# KiCad board A64-OlinuXino_Rev_G1.kicad_pcb (continued)
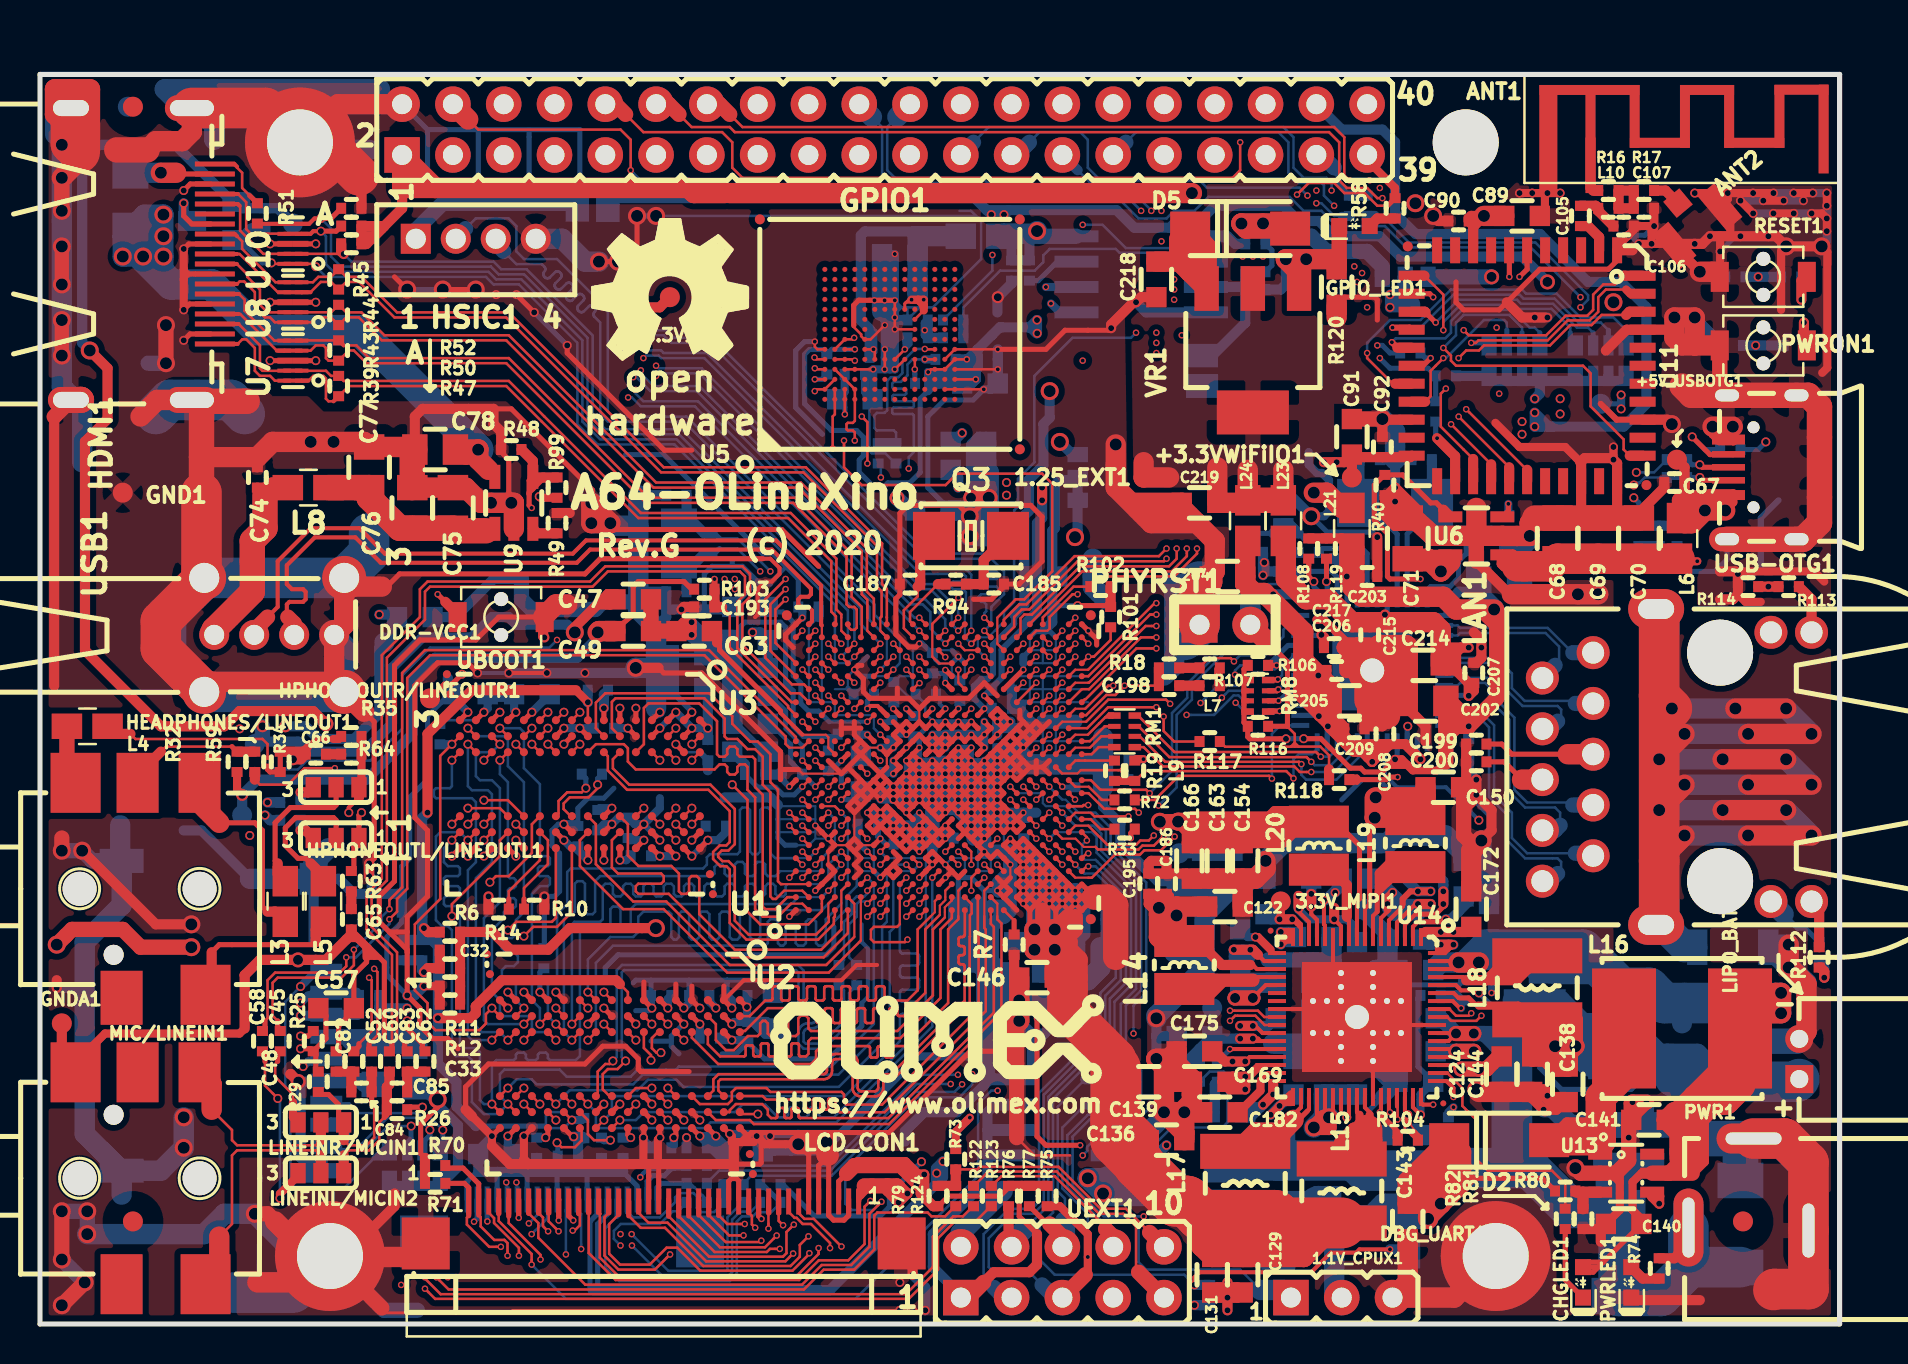
[diagram p0: board, top side]
## Nets (continued)
Net-(HDMI1-Pad14): HDMI1.14
Net-(HDMI1-Pad19): HDMI1.19 R51.2
Net-(HEADPHONES/LINEOUT1-Pad1): HEADPHONES/LINEOUT1.1 L5.2
Net-(HEADPHONES/LINEOUT1-Pad2): HEADPHONES/LINEOUT1.2 L4.2
Net-(HEADPHONES/LINEOUT1-Pad3): HEADPHONES/LINEOUT1.3 L3.2
Net-(HEADPHONES/LINEOUT1-Pad4): HEADPHONES/LINEOUT1.4 R32.1 R59.1
Net-(HEADPHONES/LINEOUT1-Pad5): HEADPHONES/LINEOUT1.5
Net-(HPHONEOUTL/LINEOUTL1-Pad2): HPHONEOUTL/LINEOUTL1.2 L5.1
Net-(HPHONEOUTR/LINEOUTR1-Pad2): HPHONEOUTR/LINEOUTR1.2 L3.1
Net-(HSIC1-Pad1): HSIC1.1 HSIC_E1.2
Net-(HSIC1-Pad2): HSIC1.2 U1.H19
Net-(HSIC1-Pad3): HSIC1.3 U1.G19
Net-(L14-Pad1): L14.1 U14.21
Net-(L15-Pad1): L15.1 U14.43 U14.44
Net-(L17-Pad1): L17.1 U14.36 U14.37
Net-(L18-Pad2): L18.2 U14.65
Net-(L19-Pad1): L19.1 U14.7
Net-(L20-Pad1): L20.1 U14.10
Net-(LINEINL/MICIN2-Pad2): LINEINL/MICIN2.2 MIC/LINEIN1.1
Net-(LINEINR/MICIN1-Pad2): LINEINR/MICIN1.2 MIC/LINEIN1.3
Net-(MIC/LINEIN1-Pad4): MIC/LINEIN1.4
Net-(MIC/LINEIN1-Pad5): MIC/LINEIN1.5
Net-(MICRO_SD1-Pad5): MICRO_SD1.5 R33.1
Net-(MIPI-DSI1-Pad16): MIPI-DSI1.16 R129.2 R131.2
Net-(MIPI-DSI1-Pad17): MIPI-DSI1.17 R125.1 R127.1
Net-(MIPI-DSI1-Pad19): MIPI-DSI1.19 R126.1 R128.1
Net-(MIPI-DSI1-Pad20): MIPI-DSI1.20 R130.2 R132.2
Net-(PWRLED1-Pad2): PWRLED1.2 R74.2
Net-(PWRON1-Pad1): PWRON1.1 R91.1
Net-(R3-Pad2): R3.2 U1.G2
Net-(R4-Pad2): R4.2 U1.G3
Net-(R7-Pad2): R7.2 U1.U1
Net-(R9-Pad1): R9.1 U2.L8
Net-(R10-Pad1): R10.1 U3.L8
Net-(R13-Pad1): R13.1 U2.L9
Net-(R14-Pad1): R14.1 U3.L9
Net-(R15-Pad1): R15.1 U5.H5
Net-(R19-Pad1): R19.1 U1.AB12
Net-(R41-Pad2): R41.2 U6.3
Net-(R49-Pad2): R49.2 U9.3
Net-(R54-Pad1): R54.1 U11.17
Net-(R55-Pad1): R55.1 R56.1 U12.3 WP_Enable1.2
Net-(R57-Pad1): R57.1 U12.7
Net-(R60-Pad1): R60.1 U11.24
Net-(R72-Pad1): R72.1 U1.AB11
Net-(R80-Pad2): R80.2 R81.1 U13.3
Net-(R82-Pad1): R82.1 U14.53
Net-(R83-Pad1): R83.1 U14.30
Net-(R86-Pad1): R86.1 U14.26
Net-(R87-Pad1): R87.1 U14.27
Net-(R89-Pad1): R89.1 RESET1.1
Net-(R94-Pad1): R94.1 U1.K23
Net-(R96-Pad1): R96.1 U1.H14
Net-(R97-Pad1): R97.1 U1.AA11
Net-(R98-Pad1): R98.1 U1.AA12
Net-(R105-Pad2): R105.2 R106.2 U15.33
Net-(R107-Pad1): R18.2 R107.1 U15.35
Net-(R109-Pad2): R109.2 R110.2 U15.41
Net-(R111-Pad2): R111.2 R112.2 U15.17
Net-(R113-Pad2): R113.2 R114.2 U15.15
Net-(R115-Pad1): R115.1 U15.48
Net-(R119-Pad1): R119.1 U15.38
Net-(RM1-Pad1.2): RM1.1.2 U1.AC13
Net-(RM1-Pad2.2): RM1.2.2 U1.AB13
Net-(RM1-Pad3.2): RM1.3.2 U1.AC14
Net-(RM1-Pad4.2): RM1.4.2 U1.AB14
Net-(RM15-Pad1.1): RM8.1.2 RM15.1.1 U15.32
Net-(RM15-Pad2.1): RM8.2.2 RM15.2.1 U15.31
Net-(RM15-Pad3.1): RM8.3.2 RM15.3.1 U15.28
Net-(RM15-Pad4.1): RM8.4.2 RM15.4.1 U15.27
Net-(T1-Pad3): T1.3 U14.52
Net-(U1-PadA13): U1.A13
Net-(U1-PadB10): U1.B10
Net-(U1-PadB13): U1.B13
Net-(U1-PadC14): U1.C14
Net-(U1-PadD14): U1.D14
Net-(U1-PadE16): U1.E16
Net-(U1-PadF16): U1.F16
Net-(U11-Pad3): U11.3
Net-(U11-Pad4): U11.4
Net-(U11-Pad5): U11.5
Net-(U11-Pad8): U11.8
Net-(U11-Pad10): U11.10
Net-(U11-Pad11): U11.11
Net-(U11-Pad21): U11.21
Net-(U11-Pad23): U11.23
Net-(U11-Pad29): U11.29
Net-(U11-Pad30): U11.30
Net-(U11-Pad32): U11.32
Net-(U11-Pad35): U11.35
Net-(U11-Pad37): U11.37
Net-(U11-Pad38): U11.38
Net-(U11-Pad39): U11.39
Net-(U11-Pad40): U11.40
Net-(U13-Pad6): U13.6
Net-(U14-Pad23): U14.23
Net-(U14-Pad24): U14.24
Net-(U15-Pad13): U15.13
Net-(U15-Pad43): U15.43
Net-(U15-Pad47): U15.47

Pads without a net: ANT1 0; FID1 Fid1; FID2 Fid1; FID3 Fid1; FID4 Fid1; FID5 Fid1; FID6 Fid1; MIPI-DSI1 0; U1 fid1 fid2 fid3; U2 FID1 FID2 FID3 FID4; U3 FID1 FID2 FID3 FID4; U5 A1 A2 A7 A8 A9 A10 A11 A12 A13 A14 B1 B7 B8 B9 B10 B11 B12 B13 B14 C1 C3 C5 C7 C8 C9 C10 C11 C12 C13 C14 D1 D2 D3 D4 D12 D13 D14 E1 E2 E3 E5 E8 E9 E10 E12 E13 E14 F1 F2 F3 F10 F12 F13 F14 FID1 FID2 FID3 G1 G2 G3 G10 G12 G13 G14 H1 H2 H3 H12 H13 H14 J1 J2 J3 J12 J13 J14 K1 K2 K3 K6 K7 K10 K12 K13 K14 L1 L2 L3 L12 L13 L14 M1 M2 M3 M7 M8 M9 M10 M11 M12 M13 M14 N1 N3 N6 N7 N8 N9 N10 N11 N12 N13 N14 P1 P2 P7 P8 P9 P10 P11 P12 P13 P14; U11 FID1 FID2; U14 Fid1 Fid2

## Via types
v1: diameter 0.75, hole 0.5, Top to Bottom, 15 vias
v2: diameter 0.9, hole 0.6, Top to Bottom, 140 vias
v3: diameter 0.45, hole 0.3, Top to Bottom, 407 vias
v4: diameter 0.327, hole 0.2, Top to Bottom, 542 vias
v5: diameter 0.6, hole 0.4, Top to Bottom, 5 vias
v6: diameter 0.406, hole 0.254, Top to Bottom, 31 vias

## Routing (per net, layer and track width the routed paths; a pad name or vN(x,y) marks a point on that pad's centre or on a via; arc(x,y) is an arc through that point)
1.1V_CPUS: length 99.9
  Top w0.203: 68.15,21.01 68.15,20.88 67.46,20.19 U14.5
  Top w0.254: U1.H15 v4(42.03,30.12)
  Top w0.305: 68.15,21.01 68.15,21.26 68.53,21.64 69.04,21.64
  Top w0.406: 69.04,21.64 v3(69.54,21.64)
  In2.Cu w0.305: 41.73,34.59 41.59,34.46 41.59,31.83 42.03,31.4 v4(42.03,30.12)
  In2.Cu w0.508: 78.12,46.47 78.37,46.47 v3(79.07,45.77) v3(79.07,46.47) 78.12,46.47 ; 78.12,46.47 77.1,46.47 75.64,47.93 73.61,47.93 71.96,46.28 71.1,46.28 69.2,44.37 56.46,44.37 55.19,43.1 50.85,43.1 49.39,44.56 44.45,44.56 42.92,43.04 42.92,42.46 41.73,41.28 41.73,34.59
  In3.Cu w0.508: 69.13,22.37 68.91,22.15 v3(68.91,21.64) ; 69.13,22.37 69.13,22.31 ; 69.13,22.37 69.67,22.91 ; 69.13,22.31 69.13,21.87 v3(68.91,21.64) ; 69.13,22.31 69.13,22.05 v3(69.54,21.64) ; v3(68.91,21.64) v3(69.54,21.64) ; v3(69.54,21.64) 69.54,22.78 69.67,22.91 ; 69.67,22.91 69.69,22.93 69.69,28.73 69.16,29.26 69.16,35.48 71.58,37.9 74.24,37.9 79.29,42.95 79.29,45.55 v3(79.07,45.77) v3(79.07,46.47)
  Bottom w0.254: C117.2 42.52,30.12 v4(42.03,30.12) ; 1.1V_CPUS1.1 79.07,46.02 v3(79.07,45.77)
  Bottom w0.406: v3(79.07,46.47) v3(79.07,45.77)
  Bottom w0.508: C120.2 45.67,44.12 v3(46.11,44.56) ; 68.15,22.66 68.15,22.4 v3(68.91,21.64) v3(69.54,21.64)
1.1V_CPUX: length 142.3
  Top w0.254: v2(49.73,19.74) 49.5,19.97 U1.W1 ; v4(49.82,21.67) U1.W3 ; v4(49.82,21.67) 49.5,21.35 ; v4(49.82,21.67) U1.Y2 ; v4(49.82,21.67) U1.Y3 ; U1.W3 v4(49.82,22.33) ; U1.W3 v4(49.18,21.67) ; U1.W3 v4(49.18,22.33) ; v4(49.82,22.33) U1.W4 ; v4(49.82,22.33) U1.Y3 ; v4(49.82,22.33) U1.Y4 ; U1.W4 v4(49.18,22.97) ; U1.W4 v4(49.82,22.97) ; U1.W4 v4(49.18,22.33) ; v4(49.82,22.97) U1.W5 ; v4(49.82,22.97) 50.15,23.3 ; v4(49.82,22.97) U1.Y4 ; U1.W5 49.82,23.62 ; U1.W5 v4(49.18,22.97) ; U1.W5 v4(49.18,23.62) ; 49.5,21.35 v4(49.18,21.67) ; 49.5,21.35 49.82,21.03 ; 49.5,21.35 v4(49.18,21.03) ; 49.82,21.03 U1.Y2 ; 49.82,21.03 50.15,20.7 v4(50.47,21.03) ; 49.82,21.03 U1.W1 ; U1.Y2 v4(50.47,21.03) ; U1.Y2 v4(50.47,21.67) ; v4(50.47,21.67) v4(51.12,21.03) ; v4(50.47,21.67) U1.AA3 ; v4(50.47,21.67) U1.Y3 ; 51.45,20.7 v4(51.12,21.03) ; 51.45,20.7 51.45,20.38 ; 51.45,20.7 v4(51.78,21.03) ; v4(51.12,21.03) U1.AA1 ; v4(51.12,21.03) U1.AB2 ; 51.45,20.38 51.78,20.38 U1.AC1 ; 51.45,20.38 51.39,20.38 ; 51.27,19.22 51.38,19.1 ; 52.43,21.03 U1.AC2 ; 52.43,21.03 52.75,21.35 52.43,21.67 ; 52.43,21.03 U1.AC1 ; U1.AC2 52.43,21.67 ; U1.AC2 v4(51.78,21.03) ; U1.AC2 v4(51.78,21.67) ; 49.5,23.95 49.18,24.28 U1.V6 ; 49.5,23.95 49.82,23.62 ; 49.5,23.95 v4(49.18,23.62) ; 49.82,23.62 50.15,23.3 ; 50.15,23.3 50.47,22.97 ; 50.47,22.97 50.8,22.65 ; 50.47,22.97 U1.Y4 ; 50.8,22.65 51.12,22.33 ; 50.8,22.65 v4(50.47,22.33) ; 51.12,22.33 51.45,22 ; 51.12,22.33 U1.AA3 ; 51.45,22 v4(51.78,21.67) ; 51.45,22 v4(51.12,21.67) ; v4(51.78,21.67) U1.AB2 ; v4(51.78,21.67) 52.1,22 52.43,21.67 ; 48.53,23.62 U1.V5 ; 48.53,23.62 U1.U6 v4(48.53,24.28) U1.V6 ; 48.53,23.62 U1.V6 ; U1.V5 v4(49.18,22.97) ; U1.V5 v4(49.18,23.62) ; v4(49.18,22.97) U1.V4 v4(49.18,22.33) ; v4(50.47,21.03) U1.AA1 ; v4(50.47,21.03) v4(51.12,21.67) ; v4(51.12,21.67) U1.AA3 ; v4(51.12,21.67) U1.AB2 ; U1.AA3 v4(50.47,22.33) ; U1.AC1 v4(51.78,21.03) ; v4(51.78,21.03) U1.AB2 ; v4(49.18,21.67) U1.V2 v4(49.18,21.03) ; v4(49.18,21.67) U1.V3 v4(49.18,22.33) ; v2(50.75,19.73) 50.8,19.78 U1.AA1 ; U1.Y3 v4(50.47,22.33) ; U1.Y4 v4(50.47,22.33) ; v4(49.18,23.62) U1.V6 ; U1.W1 v4(49.18,21.03) ; 50.15,19.74 50.15,20.05 50.15,19.74
  Top w0.508: 63.32,3.48 63.19,3.35 ; 62.69,3.86 63.07,3.48 1.1V_CPUX1.1
  Top w0.762: 50.15,20.7 50.15,19.74 ; 51.27,19.22 51.78,19.72 51.78,20.38 ; 53.8,10.21 54.81,10.21 55.57,9.45 55.45,9.32 C136.2 ; v2(50.75,19.73) 51.39,20.38
  Top w1.016: 49.73,19.61 v2(49.73,18.72) v2(50.75,18.72) ; 60.15,5.31 L17.2 58.06,5.44 58.06,3.91 58.12,3.86 ; 51.38,17.32 50.75,17.32 v2(50.75,18.72) ; 51.38,18.72 51.89,18.21 51.89,17.32 51.38,16.81 ; 51.38,18.72 51.38,19.1 51.38,19.1 v2(50.75,19.73) ; 51.38,18.72 v2(50.75,18.72) ; 63.19,3.35 64.9,5.06 L15.2 65.3,5.06 ; 63.19,3.35 62.69,3.86 58.12,3.86 ; 63.19,3.35 C129.2 C131.2 58.12,3.86 ; 53.8,10.21 54.56,10.97 C139.2 54.43,12.12 ; v2(50.75,18.72) v2(50.75,19.73) ; v2(50.75,19.73) 50.74,19.74 v2(49.73,19.74) ; C136.2 55.45,8.05
  Top w1.27: 53.8,18.34 53.8,20.95 53.4,21.35 52.75,21.35
  Top w2.032: 51.38,17.32 51.38,15.67 53.8,13.26 53.8,12.75
  Top w2.54: L15.2 62.13,5.06 61.75,5.44 L17.2 58.06,5.44 57.35,6.15 56.78,6.15 54.94,7.99 54.94,8.05 53.8,9.19 53.8,12.75
  In4.Cu w0.406: v4(48.53,24.28) v4(49.18,23.62)
  Bottom w0.254: 49.59,21.03 v4(49.18,21.03) v4(49.18,21.67) v4(49.18,22.33) v4(49.18,22.97) v4(49.18,23.62) 49.82,23.62 v4(51.78,21.67) ; 51.78,18.98 C137.2 ; C130.2 52.16,21.03
  Bottom w0.406: C132.2 49.2,23.92 49.5,23.62
  Bottom w0.508: C134.2 C123.2 ; v4(51.78,21.67) 52.27,21.18 C130.2 C127.2 52.27,19.48 C137.2
  Bottom w0.762: C137.2 51.45,19.4 51.78,19.72 v4(51.78,21.67) v4(51.78,21.03) v4(49.82,22.97) U1.W5 49.5,23.62
  Bottom w1.016: v2(50.75,18.72) 49.82,18.72 ; v2(50.75,18.72) 51.51,18.72 C137.2 ; v2(50.75,18.72) v2(50.75,19.73) ; 49.82,18.72 v2(49.73,18.72) ; 49.82,18.72 50.11,18.43 C148.2 ; 49.82,18.72 49.44,19.1 C142.2 ; 49.82,18.72 49.73,18.81 v2(49.73,19.74) ; v2(49.73,19.74) 49.82,19.83 v4(49.82,22.97) ; v2(49.73,19.74) 50.74,19.74 v2(50.75,19.73) ; v2(50.75,19.73) 51.12,20.11 v4(51.12,21.67) ; v2(50.75,19.73) 50.47,20 v4(50.47,22.33)
1.1V_SYS: length 108.7
  Top w0.203: U14.9 65.86,21.13 65.99,21.26
  Top w0.254: U1.M14 v4(45.28,29.47) U1.N14 ; U1.M14 v4(45.28,28.83) U1.N14 ; U1.M14 v4(44.62,28.83) ; U1.M14 v4(44.62,29.47) U1.L14 ; U1.L14 43.97,29.47 U1.K14 v4(43.32,28.83) U1.J13 v4(42.68,28.17) U1.J12 v4(42.68,27.53) ; U1.L14 v4(44.62,28.83) ; v4(44.62,28.83) U1.M13 ; U1.N14 v4(45.93,29.47) U1.P14 v4(46.57,29.47) U1.R14 ; v4(47.22,30.12) U1.T15 v4(47.22,29.47) U1.R14 ; U1.R14 v4(47.22,28.83) ; 65.99,21.26 65.99,23.93 64.79,25.13 L20.2
  Top w0.305: U1.L13 v4(44.62,28.83) ; U1.R13 v4(47.22,28.83) ; U1.M13 v4(45.28,28.83)
  Top w0.508: 61.29,25.2 61.75,25.65 63.43,25.65 L20.2
  Top w0.762: v2(56.92,25.13) 56,25.13 ; C166.2 57.61,24.44 ; 57.48,24.68 57.03,25.13
  Top w0.889: 57.55,25.13 v2(56.92,25.13)
  Top w1.016: 61.7,25.22 63.86,25.22 L20.2 ; C154.2 C163.2 C166.2 57.86,24.31 62.05,24.31 63.07,25.32 ; 61.53,25.13 57.55,25.13
  Top w1.524: L20.2 62.36,25.13
  In4.Cu w0.107: 43.65,28.5 46.25,28.5 ; 43.65,28.5 v4(43.32,28.83) 42.35,29.8 ; 43.65,28.5 U1.J13 v4(42.68,28.17) 42.35,28.5 ; 46.25,28.5 U1.R13 v4(47.22,28.83) ; 46.25,28.5 U1.P14 ; 52.1,29.15 50.15,29.15 ; 42.35,29.8 41.7,29.8 ; 42.35,29.8 42.35,30.45 41.7,30.45 ; 41.7,29.8 41.05,29.8 41.05,30.45 ; 41.7,29.8 41.7,30.45 ; 41.7,29.8 41.7,28.5 ; 41.7,30.45 41.05,30.45 ; 43,31.1 41.05,31.1 41.05,30.45 ; 43,31.1 43.65,31.1 ; 43,31.1 43,30.45 ; 42.35,28.5 41.7,28.5 ; 42.35,28.5 42.35,29.15 41.38,29.15 ; 41.7,28.5 41.38,28.5 40.72,27.85 39.75,27.85 39.1,28.5 38.45,28.5 38.45,27.85 ; 49.5,29.15 50.15,29.15 ; 49.5,29.15 49.5,27.85 ; 49.5,29.15 48.53,29.15 ; 50.15,29.15 50.15,27.85 50.15,28.17 ; 50.8,29.8 50.8,30.12 50.8,27.85
  In4.Cu w0.508: 48.2,28.83 v4(47.22,28.83) ; v2(56.92,25.13) 56.92,26.16 55.76,27.31 55.26,27.31 55.07,27.12 53.21,27.12 53.1,27.23 ; v4(42.68,27.53) v4(42.68,28.17)
  In4.Cu w0.711: 51.45,30.12 49.5,30.12 48.2,28.83
  In4.Cu w0.762: 49.5,27.85 49.18,27.85 48.2,28.83 ; 51.45,30.12 52.1,29.47 52.1,29.15 52.1,27.85 52.1,28.17
  In4.Cu w1.397: 49.5,27.85 50.8,27.85 52.54,27.85 53.16,27.23
  Bottom w0.254: v4(43.32,28.83) v4(42.68,28.17) ; v4(45.28,28.83) v4(45.28,29.47)
  Bottom w0.406: v4(42.68,28.17) v4(42.68,27.53) 42.59,27.61 C155.2 ; v4(47.22,29.47) v4(46.57,29.47) ; v4(47.22,29.47) v4(47.22,30.12) ; v4(47.22,29.47) v4(47.22,28.83) ; C158.2 45.18,28.83 v4(45.28,28.83) v4(44.62,28.83) v4(44.62,29.47) v4(45.28,29.47)
  Bottom w0.508: v4(45.28,29.47) v4(45.93,29.47) v4(46.57,29.47) ; 1.1V_SYS1.1 57.99,23.55 C160.2 58.12,24.69 57.68,25.13 v2(56.92,25.13)
  Bottom w0.762: v2(56.92,25.13) 56,25.13
  Bottom w1.016: C160.2 C168.2
  vias: v2(56,25.12)
1.2V_HSIC: length 134.8
  Top w0.203: U14.3 68.26,19.98 68.78,20.5 68.91,20.5
  Top w0.254: v3(70.18,21.01) 70.18,20.88 69.8,20.5 68.91,20.5 ; U1.K16 v4(43.32,30.78)
  Top w0.508: v3(70.18,21.01) v3(70.18,21.64)
  In2.Cu w0.254: 44.72,32.21 43.32,30.81 v4(43.32,30.78)
  In2.Cu w0.508: 44.72,32.25 44.72,41.52 45.8,42.6 47.83,42.6 v3(48.34,42.09) v3(48.34,41.45)
  In3.Cu w0.508: 47.7,55.49 48.21,54.98 ; 47.7,55.49 v3(48.21,55.49) ; 47.7,55.49 v3(47.57,55.49) 49.22,53.84 49.22,45.2 48.34,44.31 v3(48.34,42.09) v3(48.34,41.45) ; 47.7,55.49 v3(48.21,55.49) ; 48.21,54.98 v3(48.21,55.49) ; 48.21,54.98 48.21,54.85 ; v3(70.18,21.01) v3(70.18,21.64) 70.18,21.96 70.31,22.09 70.31,29.13 69.93,29.52 69.93,35.23 71.96,37.26 74.56,37.26 77.74,40.44 80.09,40.44 80.47,40.82 80.47,43.23 79.96,43.74 79.96,51.23 79.07,52.12 78.18,52.12 77.61,52.69 75.96,52.69 v1(75.39,52.12)
  Bottom w0.305: v4(43.32,30.78) 43.69,30.41 C197.1
  Bottom w0.508: 48.43,55.71 53.84,55.71 54.72,54.83 56.51,54.83 56.84,55.17 57.99,55.17 58.75,55.93 62.18,55.93 62.94,55.17 63.96,55.17 64.72,54.41 67,54.41 68.02,53.39 74.12,53.39 v1(75.39,52.12) ; 48.43,55.71 v3(48.21,55.49) v3(47.57,55.49) 47.29,55.77 ; 48.43,55.71 47.35,55.71 47.29,55.77 ; 47.29,55.77 46.75,56.31 28.78,56.31 HSIC_E1.1 ; v3(70.18,21.01) v3(70.18,21.64) 70.18,22.15 69.67,22.66
3.0V_RTC: length 141.9
  Top w0.203: v3(68.4,10.47) 68.26,10.61 U14.49 ; v4(41.38,30.78) 41.51,30.91 41.89,30.91 42.03,30.78
  Top w0.254: U1.H16 42.03,30.78
  Top w0.406: R104.1 68.91,9.32 v3(68.47,9.77) 68.4,9.83 v3(68.4,10.47)
  In2.Cu w0.107: 38.45,33.7 40.4,33.7 41.16,33.7 ; 38.45,34.35 40.4,34.35 40.99,34.35 41.16,34.17
  In2.Cu w0.203: 38.45,34.35 38.12,34.03 38.45,33.7
  In2.Cu w0.254: 41.16,32.08 41.16,31.64 41.38,31.42 v4(41.38,30.78)
  In2.Cu w0.305: 41.16,34.17 41.16,32.08
  In2.Cu w0.406: 38.12,34.03 37.73,34.03 35.38,36.37 35.38,37.52 34.99,37.91 34.39,37.91 33.38,38.91
  In2.Cu w0.508: v3(16.97,35.48) 19.51,38.02 19.89,38.02 21.41,39.55 25.35,39.55 25.98,38.91 33.38,38.91
  In3.Cu w0.254: 12.9,7.92 13.18,7.65 16.41,7.65 22.48,1.58 24.65,1.58
  In3.Cu w0.305: 24.65,1.58 41.45,1.58 45.33,5.45 45.92,5.45
  In3.Cu w0.406: v3(68.47,9.77) 68.4,9.83 v3(68.4,10.47)
  In3.Cu w0.508: v3(68.47,9.77) 68.47,9.39 66.5,7.42 55.57,7.42 53.61,5.45 45.92,5.45 ; v5(12.27,29.9) 9.41,27.04 9.41,24.56 10.24,23.74 10.24,10.59 12.9,7.92
  Bottom w0.254: C189.2 41.38,31.17 v4(41.38,30.78)
  Bottom w0.406: v3(68.47,9.77) 68.4,9.83 v3(68.4,10.47)
  Bottom w0.508: v5(12.27,29.9) 13.28,29.9 13.92,29.26 15.7,29.26 16.97,30.53 16.97,33.83 3.0V_RTC1.1 17.6,34.47 17.6,35.1 C190.2 17.73,35.48 v3(16.97,35.48) ; R85.2 69.29,9.32 C152.1 68.85,9.77 v3(68.47,9.77)
+1.5V: length 448.3
  Top w0.127: U2.A1 35.01,16.2 ; U2.A8 35.1,10.5 v3(35.9,10.5)
  Top w0.203: 66.5,21.01 66.26,20.77 U14.8
  Top w0.254: 44.62,24.28 U1.L7 ; 44.62,24.28 44.95,23.95 v4(45.28,24.28) ; 44.62,24.28 U1.L6 ; 44.62,24.28 44.95,24.6 ; U1.L7 v4(43.97,24.28) ; U1.L7 44.62,24.92 ; U1.L7 v4(43.97,24.92) ; U1.L6 v4(43.97,23.62) U1.K6 ; U1.L6 v4(43.97,24.28) ; 44.95,24.6 v4(45.28,24.28) ; 44.95,24.6 44.62,24.92 ; 44.95,24.6 v4(45.28,24.92) ; v4(45.28,24.28) U1.N7 v4(45.28,24.92) ; 43.32,24.28 U1.K7 ; 43.32,24.28 43,24.6 ; 43.32,24.28 U1.K6 ; 43.32,24.28 43,23.95 ; U1.K7 v4(43.32,24.92) ; U1.K7 v4(43.97,24.92) ; U1.K7 v4(43.97,24.28) ; 43,24.6 v4(43.32,24.92) ; 43,24.6 42.68,24.28 ; 43,24.6 v4(42.68,24.92) ; v4(43.32,24.92) U1.J8 ; 44.62,24.92 U1.L8 ; v4(42.03,25.58) 42.35,25.9 42.68,25.58 ; v4(42.03,25.58) 42.35,25.25 ; v4(42.03,25.58) U1.G9 v4(41.38,25.58) U1.G8 ; v4(42.03,25.58) U1.G8 ; U1.G8 41.38,24.92 U1.G7 ; U1.G8 42.03,24.92 ; 43,23.95 43.32,23.62 U1.K6 ; 43,23.95 42.68,24.28 ; 42.68,24.28 42.35,24.6 ; 42.35,24.6 42.03,24.92 ; 42.35,24.6 v4(42.68,24.92) ; DDR-VCC1.1 20.22,32 20.6,32 v3(21.1,32.5) ; v4(43.97,24.28) U1.K6 ; U3.H2 v3(27,29.8) ; U1.J8 42.68,25.58 ; U1.J8 v4(42.68,24.92) ; 42.68,25.58 42.35,25.25 ; v4(42.68,24.92) 42.35,25.25 ; 42.35,25.25 42.03,24.92 ; v3(31.7,9.32) 31.8,9.42 U2.E9 ; U3.A1 v3(33.4,29.8) ; U1.L8 v4(43.97,25.58) ; U1.L8 v4(43.97,24.92) ; U2.B2 v3(34.6,15) ; U2.D2 v3(33,15) ; U3.C1 v3(31.8,30.6) ; 35.01,16.2 v3(35.35,15.85) ; U3.C9 v3(31.8,23.4) ; U2.G7 v3(30.6,11) ; U3.D2 v3(31,29.8) ; U3.H9 v3(27.4,23.2) ; U3.A8 v3(32.6,24.2) ; v3(28.2,11) U2.K8 ; v3(25.29,9.32) 25.4,9.44 U2.N9 ; v3(29.54,9.32) 29.4,9.46 U2.H9 ; U3.G7 v3(28.6,25.8) ; U3.F1 v3(29,30.8) ; U2.H2 v3(29.8,15) ; U3.E9 v3(30.2,24.2) ; 66.5,21.01 66.5,25.07 v2(66.75,25.32) ; U3.K8 v3(26.2,24.2) ; U1.N8 v4(45.28,24.92) ; U2.K2 v3(27.4,15) ; v3(31.4,15.8) U2.F1 ; U2.C9 v3(33.8,9.4) ; U3.N9 v3(23.8,23.4) ; U3.R1 v3(22.2,30.6) ; U2.R1 v3(23.4,16.6) ; U3.N1 v3(23.8,30.6) ; U3.B2 v3(32.6,29.8) ; U2.D9 v3(33,9.4) ; U3.K2 v3(26.2,29.8) ; U2.R9 v3(23.4,9.4) ; U3.D9 v3(31,23.4) ; U2.N1 v3(25,16.6) ; v3(33.8,15.8) U2.C1 ; U3.R9 v3(21.4,23.4)
  Top w0.305: U1.G7 42.03,24.92
  Top w0.508: v3(19.2,17.6) 19.4,17.8 R11.2 C32.2
  Top w0.762: 66.62,25.32 67.6,26.31 67.73,26.31
  Top w1.016: L19.2 68.71,25.32 v2(66.75,25.32) 66.75,26.31 ; L19.2 67.73,26.31 ; L19.2 69.29,25.76 C150.2 ; 69.29,26.34 v2(66.8,26.34)
  In4.Cu w0.107: 46.25,23.95 46.25,24.28 45.6,24.28 ; 46.25,23.95 46.25,23.3 ; 46.25,23.95 39.75,23.95 ; 46.25,23.3 46.25,21.03 ; 46.25,23.3 46.9,23.3 46.9,22.65 ; 46.25,23.3 44.95,23.3 ; 46.9,22.65 46.9,21.03 ; 46.9,22.65 47.55,22.65 ; 45.6,24.28 U1.N7 U1.L7 ; 45.6,24.28 v4(45.28,24.28) ; 45.6,24.28 45.6,22.65 ; U1.G8 U1.G7 ; U1.G8 v4(41.38,25.58) 41.05,25.9 39.75,25.9 ; U1.G8 39.1,25.25 ; U1.G7 41.7,19.72 ; U1.G7 39.1,24.6 ; U1.G7 U1.K7 ; 39.75,25.9 38.45,25.9 ; 39.75,25.9 39.75,23.95 ; 38.45,25.9 37.8,25.9 ; 38.45,25.9 38.45,22.65 ; 37.8,25.9 37.15,25.9 ; 37.8,25.9 37.8,21.67 ; 38.78,25.25 36.82,25.25 ; 38.78,25.25 39.1,25.25 ; 38.78,25.25 38.78,25.58 ; U1.K7 U1.L7 ; U1.K7 43.65,20.05 ; U1.L7 44.3,23.3 ; 44.3,23.3 44.3,21.35 ; 44.3,23.3 44.95,23.3 ; 44.3,21.35 44.3,20.7 ; 44.3,21.35 41.05,21.35 ; 44.95,23.3 44.95,22 ; 44.95,22 44.95,21.03 ; 44.95,22 42.35,22 ; 39.75,23.3 39.75,20.7 ; 39.75,23.3 39.75,23.95 ; 39.75,23.3 37.15,23.3 ; 39.75,23.3 42.35,23.3 ; 38.45,22.65 38.45,22 ; 38.45,22.65 37.15,22.65 ; 38.45,22.65 42.35,22.65 45.6,22.65 ; 38.45,22 38.45,21.03 ; 38.45,22 39.1,22 ; 42.35,22 42.68,22 ; 42.35,22 39.1,22 ; 45.6,22.65 45.6,19.72 ; 39.75,23.95 37.47,23.95 ; 44.3,20.7 44.3,20.05 ; 44.3,20.7 41.05,20.7 ; 39.1,22 39.1,21.35 ; 39.1,25.25 39.1,24.6 ; 39.1,24.6 36.82,24.6
  In4.Cu w0.127: U2.E9 31,9.8 ; U2.E9 31.8,10.6 ; U2.E9 31.7,9.7 v3(31.7,9.32) ; 31,9.8 U2.H9 ; 31,9.8 30.61,9.8 30.61,9.02 ; 31,9.8 31,11.4 ; 23,11.4 23,9.8 23.41,9.8 ; 23,11.4 23,14.6 ; 23,11.4 23.8,11.4 ; 26.2,9.8 U2.N9 ; 26.2,9.8 27,9.8 ; 26.2,9.8 26.2,17 ; 26.2,9.8 26.29,9.71 26.29,9.09 ; U2.N9 25.25,9.8 ; U2.N9 25.4,10.6 ; 27,9.8 27.8,9.8 ; 27,9.8 27,17.1 ; 27.8,9.8 28.6,9.8 ; 27.8,9.8 27.8,17.2 ; 28.6,9.8 U2.H9 ; 28.6,9.8 28.6,10.6 v3(28.2,11) ; U2.H9 29.4,11.4 ; 25.4,10.6 25.4,11.4 ; 25.4,10.6 32.6,10.6 U2.D9 v3(33,9.4) ; 25.4,11.4 25.4,15.5 ; 25.4,11.4 23.8,11.4 ; 31,11.4 31,12.2 ; 31,11.4 31.9,11.4 ; 23,14.6 23,15.4 ; 23,14.6 31,14.6 ; U2.D2 32.6,16.3 ; U2.D2 v3(33,15) 32.6,14.6 31.8,14.6 ; U2.D2 31.8,15.4 ; 23,15.4 23,16.2 ; 23,15.4 31,15.4 ; 23,16.2 23,16.9 ; 23,16.2 32.4,16.2 ; 31.8,14.6 31,14.6 ; 31.8,14.6 31.8,15.4 ; 31,14.6 31,15.4 ; 31,15.4 31.8,15.4 ; 23.8,11.4 U2.R9 ; 23.8,11.4 23.8,17.1 24.6,17.1 24.6,9.8 ; 24.6,9.8 U2.R9 ; 24.6,9.8 25.25,9.8 ; U2.R9 23.41,9.8 ; 32.2,24.6 32.2,25.4 ; 32.2,24.6 v3(32.6,24.2) ; 32.2,24.6 30.6,24.6 ; 32.2,25.4 32.2,28.6 ; 32.2,25.4 21.8,25.4 ; 32.2,25.4 32.8,25.4 ; U3.C9 31.4,31.3 ; U3.C9 v3(31.8,23.4) ; U3.C9 21,23.8 ; 30.6,24.6 28.6,24.6 ; 30.6,24.6 30.6,25.4 ; 28.6,24.6 20.3,24.6 ; 28.6,24.6 28.6,23 ; 32.2,28.6 U3.B2 ; 32.2,28.6 32.9,28.6 ; 32.2,28.6 26.6,28.6 ; 21.8,25.4 U3.R9 v3(21.4,23.4) ; 21.8,25.4 21,25.4 ; 21,25.4 20.3,25.4 ; 21,25.4 21,23.8 ; 21,23.8 20.2,23.8 ; U3.B2 32.2,30.2 ; U3.B2 21,29.4 ; 32.2,30.2 32.2,31.3 ; 32.2,30.2 26.6,30.2 ; 26.6,30.2 20.7,30.2 ; 26.6,30.2 26.6,30.8 ; 26.6,30.2 26.6,28.6 ; 26.6,28.6 25.8,28.6 ; 25.8,28.6 25,28.6 ; 25.8,28.6 25.8,30.8 ; 25,28.6 24.2,28.6 ; 25,28.6 25,31 ; 24.2,28.6 22.6,28.6 ; 24.2,28.6 24.2,30.2 v3(23.8,30.6) U3.N1 23.4,28.7 ; 22.6,28.6 20.2,28.6 ; 22.6,28.6 22.6,27.8 ; 21,29.4 20.1,29.4 ; 21,29.4 21,28.5 ; 25.25,9.8 25.29,9.77 v3(25.29,9.32) ; 23.41,9.8 23.4,9.79 v3(23.4,9.4)
  In4.Cu w0.254: v3(21.1,32.5) 21.1,31.7 v3(22.2,30.6)
  In4.Cu w1.016: 60.27,24.94 61.93,24.94 62.31,25.32 v2(66.75,25.32) 66.75,26.3 v2(66.8,26.34)
  In4.Cu w2.032: 60.27,24.94 57.73,22.4
  Bottom w0.127: v3(22.2,30.6) U3.R1 21,30.2 20.19,30.2 R1.2
  Bottom w0.254: C18.1 45.67,24.28 v4(45.28,24.28) 45.28,24.6 ; C18.1 45.39,24.6 45.28,24.6 ; C18.1 45.69,24.51 v4(45.28,24.92) 45.28,24.6 ; v4(43.97,24.28) v4(43.97,23.62) 43.71,23.89 C29.1 ; v4(43.97,24.28) v4(43.97,24.92) ; v4(43.97,24.28) 43.76,24.49 43.76,25.36 v4(43.97,25.58) v4(43.97,24.92) ; v4(43.97,24.92) v4(43.32,24.92) ; v4(43.97,24.92) 43.95,24.9 C17.1 ; v3(25,16.6) 25,17.59 C8.1 ; C30.1 33.29,24.89 v3(32.6,24.2)
  Bottom w0.305: 42.68,25.25 42.35,25.58 v4(42.03,25.58) v4(41.38,25.58) ; v3(31.8,30.6) v3(31,29.8)
  Bottom w0.406: v3(31.4,15.8) 31.4,16.26 C4.1 ; v3(33.8,15.8) 33.48,16.12 C3.1 ; v3(33,15) 33,14.31 C12.1 ; C1.1 34.71,15.11 v3(34.6,15) ; v3(23.4,9.4) 23.4,8.79 C16.1 24,8.81 ; v3(30.2,24.2) 29.52,24.2 C9.1 ; v3(28.6,25.8) 27.99,25.8 C28.1 ; v3(26.2,24.2) 26.51,23.89 C31.1 26.9,23.7 v3(27.4,23.2) ; C10.1 23.71,30.69 v3(23.8,30.6) ; C26.1 22.39,30.79 v3(22.2,30.6) ; C14.1 31.7,8.94 v3(31.7,9.32) ; v3(31.8,30.6) v3(32.6,29.8) v3(33.4,29.8) ; v3(33.8,9.4) 33.8,8.95 33.67,8.81 ; v3(33.8,9.4) 33.35,8.95 C13.1 33.35,9.05 v3(33,9.4) v3(33.8,9.4) ; v3(33.8,9.4) 34.37,8.83 C5.1 ; v3(31.8,23.4) v3(31,23.4) 30.98,23.42 C19.1 ; C2.1 35.35,16.41 v3(35.35,15.85) 35.35,15.19 35.38,15.16 ; C6.1 v3(29.54,9.32) ; C20.1 v3(27,29.8) v3(26.2,29.8) ; C7.1 v3(25.29,9.32)
  Bottom w0.508: v3(19.2,17.6) 19.1,17.7 C11.1 R5.2 ; 42.68,25.25 v4(42.68,24.92) v4(43.32,24.92) 43.57,24.92 C17.1 43.59,24.12 C29.1 ; 34.43,8.37 34.05,8.37 33.6,8.81 C13.1 34.11,8.81 34.37,8.56 ; C1.1 35.71,15.11 ; 35.71,15.11 35.71,15.09 36.27,14.53 36.84,14.53 ; 35.71,15.11 36.33,15.11 C27.1 ; C15.1 v3(33.4,29.8) 33.4,31.62 C21.1
  Bottom w0.762: C26.1 C10.1
+1.8V: length 204.1
  Top w0.203: 70.56,18.85 70.27,18.55 U14.68 ; v3(70.05,18.97) 69.86,18.78 U14.68 ; 70.43,18.97 70.43,18.72 70.03,18.72 U14.68
  Top w0.254: 70.56,18.85 70.56,18.97 ; U1.E13 v4(40.07,28.17)
  Top w0.508: v3(70.05,18.97) 70.56,18.97 ; 27.89,35.99 28.14,36.25 ; 27.89,35.99 26.75,34.85 v2(26.75,34.59) ; 27.89,35.99 28.52,35.99 C47.2 28.14,36.25 ; 28.14,36.25 28.14,36.25 28.4,36.5 28.84,36.5
  In3.Cu w0.508: v1(72.59,52.38) 73.23,51.74 74.45,51.74 74.84,51.36 76.15,51.36 76.78,51.99 77.29,51.99 77.67,51.61 77.67,48.06 77.29,47.68 77.29,45.01 73.99,41.71 73.33,41.71 71.3,39.67 70.61,39.67 68.48,37.54 68.48,30.88 67.77,30.17 67.77,29.26 68.4,28.63 68.4,28.02 69.08,27.34 69.08,23.21 68.23,22.36 68.23,20.48 69.73,18.97 v3(70.05,18.97) 72.47,18.97 73.48,17.96 73.48,11.35 72.66,10.53 71.26,10.53 66.94,6.21 58.05,6.21 57.61,5.77 57.61,3.35 56.84,2.59 44.78,2.59 43.64,1.45 42.62,1.45 41.86,0.69 19.57,0.69 18.62,1.64 18.62,4.75 16.2,7.16 12.71,7.16 9.6,10.27 9.6,23.42 8.78,24.24 8.78,27.55 v5(11.12,29.9)
  In4.Cu w0.254: 37.79,29.13 37.92,29.26 38.99,29.26 v4(40.07,28.17)
  In4.Cu w0.508: 37.79,29.13 37.17,29.13 33.36,32.94 31.57,32.94 30.81,33.71 27.38,33.71 26.75,34.34 v2(26.75,34.59)
  Bottom w0.254: v4(40.07,28.17) 39.57,27.67 C50.2
  Bottom w0.508: v2(26.75,34.59) 26.36,34.98 23.83,34.98 23.44,35.36 22.61,35.36 21.59,34.34 19.13,34.34 17.6,32.82 17.6,30.02 16.2,28.63 13.41,28.63 12.9,29.13 10.87,29.13 +1.8V1.1 ; v3(70.69,18.97) v3(70.05,18.97) 69.42,18.97 C170.2
  Bottom w0.762: +1.8V1.1 11.12,29.39 v5(11.12,29.9) ; v1(72.59,52.38) PWR_PC1.3
+3.0VA: length 136.2
  Top w0.203: v3(60.27,13.13) 60.5,13.35 U14.31
  Top w0.254: R103.1 32.59,36.75 32.21,37.13 29.92,37.13 29.67,36.88 29.67,35.48 28.78,34.72 ; U1.N16 v4(45.93,30.78) ; U1.G14 v4(41.38,29.47)
  Top w0.406: v5(10.11,26.47) 9.86,26.72 R32.2
  Top w0.508: 58.75,13.64 59.26,13.13 v3(59.64,13.13) v3(60.27,13.13)
  Top w1.016: v2(27.89,34.59) 27.95,34.66 28.71,34.66 ; C49.1 28.02,34.66
  In2.Cu w0.107: 41.7,29.8 42.35,29.8 ; 41.82,28.5 42.22,28.5 42.35,28.62 42.35,29.15 U1.G14 41.7,28.62 41.82,28.5
  In2.Cu w0.254: 42.35,29.15 42.68,29.47 42.68,29.8 42.35,29.8 ; U1.G14 v4(41.38,29.47) 41.7,29.8
  In2.Cu w0.406: v4(45.93,30.78) 45.93,31.01 45.64,31.29 44.42,31.29 43.97,30.84 43.97,30.58 43.52,30.12 43,30.12 42.68,29.8
  In3.Cu w0.508: v3(60.27,13.13) v3(59.64,13.13) 58.12,11.61 53.88,11.61 48.61,6.34 45.1,6.34 41.1,2.34 22.74,2.34 16.71,8.37 13.68,8.37 11.19,10.87 11.19,24.63 10.11,25.7 v5(10.11,26.47)
  In4.Cu w0.254: 39.45,29.47 39.57,29.47 ; 39.45,29.47 39.28,29.64 37.67,29.64 37.54,29.77 ; 39.45,29.47 v4(41.38,29.47)
  In4.Cu w0.508: v2(27.89,34.59) 31.06,34.59 31.95,33.71 33.6,33.71 37.54,29.77
  Bottom w0.305: v4(45.93,30.78) 45.93,31.1 45.99,31.17
  Bottom w0.406: v4(41.38,29.47) 40.93,29.47 C46.1
  Bottom w0.508: v2(27.89,34.59) 27.89,34.34 26.87,33.33 19.76,33.33 18.62,32.18 18.62,29.52 16.33,27.23 10.87,27.23 v5(10.11,26.47) +3.0VA1.1
